# Allegro board S071AA-0413-20260427.brd (continued)
## Routing (per net, layer and track width the routed paths; a pad name or vN(x,y) marks a point on that pad's centre or on a via; arc(x,y) is an arc through that point) (continued)
; D103.B13 193.31,57.61 ; D427.B8 112.03,379.27 ; D427.B8 112.03,377.65 ; D427.B8 112.84,378.46 ; D427.B8 111.22,378.46 ; D116.B11 178.07,391.97 ; D116.B11 178.07,390.35 ; D116.B11 177.26,391.16 ; D116.B11 178.88,391.16 ; D110.A1 277.94,355.6 ; D110.A1 277.13,356.41 ; D110.A1 277.13,354.79 ; D110.A1 276.32,355.6 ; CSDPS229.C9 35.83,331.01 ; CSDPS229.C9 35.83,329.39 ; CSDPS229.C9 36.64,330.2 ; CSDPS229.C9 35.02,330.2 ; 91.71,382.73 D427.A16 ; D427.A16 92.52,383.54 ; D427.A16 90.9,383.54 ; D427.A16 91.71,384.35 ; D227.B16 92.52,368.3 ; D227.B16 90.9,368.3 ; D227.B16 91.71,369.11 ; D227.B16 91.71,367.49 ; D114.A15 167.91,356.41 ; D114.A15 167.1,355.6 ; D114.A15 168.72,355.6 ; D114.A15 167.91,354.79 ; 24.86,58.42 D119.B5 ; D119.B5 25.67,57.61 ; D119.B5 25.67,59.23 ; D119.B5 26.48,58.42 ; 245.84,13.97 DPS1.A05 ; DPS1.A05 247.46,13.97 ; DPS1.A05 246.65,13.16 ; DPS1.A05 246.65,14.78 ; 263.62,347.98 D110.B6 ; D110.B6 264.43,348.79 ; D110.B6 265.24,347.98 ; D110.B6 264.43,347.17 ; 240.76,355.6 D110.A15 ; D110.A15 241.57,354.79 ; D110.A15 242.38,355.6 ; D110.A15 241.57,356.41 ; D227.B2 127.27,369.11 ; D227.B2 126.46,368.3 ; D227.B2 128.08,368.3 ; D227.B2 127.27,367.49 ; D231.A10 34.1,373.38 ; D231.A10 33.29,372.57 ; D231.A10 32.48,373.38 ; D231.A10 33.29,374.19 ; 269.51,326.85 D109.B4 ; D109.B4 269.51,328.47 ; D109.B4 268.7,327.66 ; D109.B4 270.32,327.66 ; 109.49,37.29 D124.B9 ; D124.B9 110.3,38.1 ; D124.B9 109.49,38.91 ; D124.B9 108.68,38.1 ; UHC430.G2_1 48.98,366.26 ; UHC430.G2_1 48.17,365.45 ; UHC430.G2_1 49.79,365.45 ; UHC430.G2_1 48.98,364.64 ; D228.B5 119.65,391.97 ; D228.B5 120.46,391.16 ; D228.B5 119.65,390.35 ; D228.B5 118.84,391.16 ; 112.03,403.05 D428.A8 ; D428.A8 112.03,404.67 ; D428.A8 111.22,403.86 ; D428.A8 112.84,403.86 ; D432.B1 56.96,401.32 ; D432.B1 56.15,402.13 ; D432.B1 56.15,400.51 ; D432.B1 55.34,401.32 ; D124.B11 114.57,38.91 ; D124.B11 113.76,38.1 ; D124.B11 114.57,37.29 ; D124.B11 115.38,38.1 ; 162.83,77.93 D102.B1 ; D102.B1 162.02,78.74 ; D102.B1 163.64,78.74 ; D102.B1 162.83,79.55 ; 190.77,95.71 D101.A12 ; D101.A12 190.77,97.33 ; D101.A12 191.58,96.52 ; D101.A12 189.96,96.52 ; 184.88,96.52 D101.A10 ; D101.A10 185.69,95.71 ; D101.A10 186.5,96.52 ; D101.A10 185.69,97.33 ; 256.81,375.11 D111.A9 ; D111.A9 257.62,375.92 ; D111.A9 256,375.92 ; D111.A9 256.81,376.73 ; 91.71,60.15 D123.B2 ; D123.B2 90.9,60.96 ; D123.B2 91.71,61.77 ; D123.B2 92.52,60.96 ; D114.A13 172.99,356.41 ; D114.A13 172.18,355.6 ; D114.A13 172.99,354.79 ; D114.A13 173.8,355.6 ; D107.B7 251.73,59.23 ; D107.B7 252.54,58.42 ; D107.B7 250.92,58.42 ; D107.B7 251.73,57.61 ; 106.95,362.41 CSDPS426.B10 ; CSDPS426.B10 106.14,363.22 ; CSDPS426.B10 106.95,364.03 ; CSDPS426.B10 107.76,363.22 ; 243.3,347.98 D110.B14 ; D110.B14 244.92,347.98 ; D110.B14 244.11,347.17 ; D110.B14 244.11,348.79 ; D114.B6 190.77,348.79 ; D114.B6 189.96,347.98 ; D114.B6 190.77,347.17 ; D114.B6 191.58,347.98 ; D113.B11 178.07,331.01 ; D113.B11 177.26,330.2 ; D113.B11 178.07,329.39 ; D113.B11 178.88,330.2 ; D109.B16 239.03,328.47 ; D109.B16 239.84,327.66 ; D109.B16 239.03,326.85 ; D109.B16 238.22,327.66 ; 17.24,60.96 D119.B2 ; D119.B2 18.05,60.15 ; D119.B2 18.86,60.96 ; D119.B2 18.05,61.77 ; D108.B3 242.38,38.1 ; D108.B3 241.57,37.29 ; D108.B3 240.76,38.1 ; D108.B3 241.57,38.91 ; 170.45,60.15 D103.B4 ; D103.B4 170.45,61.77 ; D103.B4 171.26,60.96 ; D103.B4 169.64,60.96 ; D118.B16 53.61,82.09 ; D118.B16 52.8,81.28 ; D118.B16 54.42,81.28 ; D118.B16 53.61,80.47 ; 258.54,40.64 D108.B10 ; D108.B10 259.35,41.45 ; D108.B10 260.16,40.64 ; D108.B10 259.35,39.83 ; 14.92,363.7 UHC430.G1_5 ; UHC430.G1_5 15.73,364.51 ; UHC430.G1_5 15.73,362.89 ; UHC430.G1_5 16.54,363.7 ; D116.A16 165.37,394.51 ; D116.A16 164.56,393.7 ; D116.A16 165.37,392.89 ; D116.A16 166.18,393.7 ; 89.17,98.25 D121.B1 ; D121.B1 89.98,99.06 ; D121.B1 89.17,99.87 ; D121.B1 88.36,99.06 ; DPS2.A01 203.47,416.1 ; DPS2.A01 203.47,414.48 ; DPS2.A01 204.28,415.29 ; DPS2.A01 202.66,415.29 ; D111.B9 257.62,370.84 ; D111.B9 256,370.84 ; D111.B9 256.81,370.03 ; D111.B9 256.81,371.65 ; 172.18,99.06 D101.B5 ; D101.B5 172.99,98.25 ; D101.B5 172.99,99.87 ; D101.B5 173.8,99.06 ; D428.B8 112.03,399.59 ; D428.B8 111.22,398.78 ; D428.B8 112.03,397.97 ; D428.B8 112.84,398.78 ; D113.B15 167.91,331.01 ; D113.B15 168.72,330.2 ; D113.B15 167.1,330.2 ; D113.B15 167.91,329.39 ; D113.B12 175.53,328.47 ; D113.B12 174.72,327.66 ; D113.B12 175.53,326.85 ; D113.B12 176.34,327.66 ; 238.22,76.2 D106.A2 ; D106.A2 239.84,76.2 ; D106.A2 239.03,75.39 ; D106.A2 239.03,77.01 ; D431.B15 20.59,381.81 ; D431.B15 20.59,380.19 ; D431.B15 19.78,381 ; D431.B15 21.4,381 ; 48.98,361.14 UHC430.G2_6 ; UHC430.G2_6 49.79,361.95 ; UHC430.G2_6 48.98,362.76 ; UHC430.G2_6 48.17,361.95 ; D431.A10 33.29,384.35 ; D431.A10 34.1,383.54 ; D431.A10 33.29,382.73 ; D431.A10 32.48,383.54 ; 43.57,365.45 UHC430.G2_3 ; UHC430.G2_3 44.38,364.64 ; UHC430.G2_3 44.38,366.26 ; UHC430.G2_3 45.19,365.45 ; D427.B11 104.41,381.81 ; D427.B11 103.6,381 ; D427.B11 104.41,380.19 ; D427.B11 105.22,381 ; 114.57,349.71 CSDPS226.C7 ; CSDPS226.C7 115.38,350.52 ; CSDPS226.C7 113.76,350.52 ; CSDPS226.C7 114.57,351.33 ; 183.15,370.03 D115.B9 ; D115.B9 183.96,370.84 ; D115.B9 183.15,371.65 ; D115.B9 182.34,370.84 ; 271.24,93.98 D105.A15 ; D105.A15 272.86,93.98 ; D105.A15 272.05,94.79 ; D105.A15 272.05,93.17 ; DPS8.B15 20.59,413.56 ; DPS8.B15 19.78,412.75 ; DPS8.B15 21.4,412.75 ; DPS8.B15 20.59,411.94 ; D428.A3 124.73,407.21 ; D428.A3 124.73,405.59 ; D428.A3 123.92,406.4 ; D428.A3 125.54,406.4 ; 127.27,387.81 D228.B2 ; D228.B2 126.46,388.62 ; D228.B2 127.27,389.43 ; D228.B2 128.08,388.62 ; 119.65,37.29 D124.B13 ; D124.B13 118.84,38.1 ; D124.B13 120.46,38.1 ; D124.B13 119.65,38.91 ; D112.B11 252.54,391.16 ; D112.B11 251.73,391.97 ; D112.B11 251.73,390.35 ; D112.B11 250.92,391.16 ; D231.B14 23.94,368.3 ; D231.B14 23.13,369.11 ; D231.B14 23.13,367.49 ; D231.B14 22.32,368.3 ; D120.B7 30.75,38.91 ; D120.B7 30.75,37.29 ; D120.B7 29.94,38.1 ; D120.B7 31.56,38.1 ; D119.A10 39.18,55.88 ; D119.A10 38.37,55.07 ; D119.A10 38.37,56.69 ; D119.A10 37.56,55.88 ; D108.B13 266.97,38.91 ; D108.B13 267.78,38.1 ; D108.B13 266.97,37.29 ; D108.B13 266.16,38.1 ; D114.B10 180.61,348.79 ; D114.B10 179.8,347.98 ; D114.B10 181.42,347.98 ; D114.B10 180.61,347.17 ; 264.43,367.49 D111.B6 ; D111.B6 264.43,369.11 ; D111.B6 263.62,368.3 ; D111.B6 265.24,368.3 ; 183.15,32.21 D104.A9 ; D104.A9 183.15,33.83 ; D104.A9 182.34,33.02 ; D104.A9 183.96,33.02 ; 126.46,60.96 D123.B16 ; D123.B16 128.08,60.96 ; D123.B16 127.27,60.15 ; D123.B16 127.27,61.77 ; 37.56,378.46 D431.B8 ; D431.B8 38.37,377.65 ; D431.B8 39.18,378.46 ; D431.B8 38.37,379.27 ; 52.8,398.78 D432.B2 ; D432.B2 53.61,399.59 ; D432.B2 53.61,397.97 ; D432.B2 54.42,398.78 ; D102.A14 195.85,77.01 ; D102.A14 195.85,75.39 ; D102.A14 195.04,76.2 ; D102.A14 196.66,76.2 ; 266.16,53.34 D107.A13 ; D107.A13 266.97,52.53 ; D107.A13 266.97,54.15 ; D107.A13 267.78,53.34 ; D120.B4 23.94,40.64 ; D120.B4 23.13,39.83 ; D120.B4 23.13,41.45 ; D120.B4 22.32,40.64 ; D120.B10 38.37,41.45 ; D120.B10 39.18,40.64 ; D120.B10 37.56,40.64 ; D120.B10 38.37,39.83 ; D431.A14 23.94,383.54 ; D431.A14 23.13,382.73 ; D431.A14 22.32,383.54 ; D431.A14 23.13,384.35 ; D112.B16 239.84,388.62 ; D112.B16 238.22,388.62 ; D112.B16 239.03,389.43 ; D112.B16 239.03,387.81 ; 127.27,372.57 D227.A2 ; D227.A2 127.27,374.19 ; D227.A2 128.08,373.38 ; D227.A2 126.46,373.38 ; D117.B8 33.29,102.41 ; D117.B8 34.1,101.6 ; D117.B8 33.29,100.79 ; D117.B8 32.48,101.6 ; D111.A7 261.89,376.73 ; D111.A7 261.89,375.11 ; D111.A7 261.08,375.92 ; D111.A7 262.7,375.92 ; D428.B1 130.62,401.32 ; D428.B1 129.81,402.13 ; D428.B1 129,401.32 ; D428.B1 129.81,400.51 ; D111.B11 251.73,371.65 ; D111.B11 252.54,370.84 ; D111.B11 250.92,370.84 ; D111.B11 251.73,370.03 ; D118.A12 44.26,76.2 ; D118.A12 43.45,75.39 ; D118.A12 42.64,76.2 ; D118.A12 43.45,77.01 ; D103.A14 195.85,56.69 ; D103.A14 195.04,55.88 ; D103.A14 196.66,55.88 ; D103.A14 195.85,55.07 ; 98.52,381 D427.B13 ; D427.B13 99.33,381.81 ; D427.B13 100.14,381 ; D427.B13 99.33,380.19 ; 187.42,93.98 D101.A11 ; D101.A11 188.23,94.79 ; D101.A11 189.04,93.98 ; D101.A11 188.23,93.17 ; 111.22,60.96 D123.B10 ; D123.B10 112.84,60.96 ; D123.B10 112.03,60.15 ; D123.B10 112.03,61.77 ; D432.A17 15.51,407.21 ; D432.A17 16.32,406.4 ; D432.A17 15.51,405.59 ; D432.A17 14.7,406.4 ; D428.A11 104.41,407.21 ; D428.A11 105.22,406.4 ; D428.A11 104.41,405.59 ; D428.A11 103.6,406.4 ; 45.18,410.21 DPS8.C05 ; DPS8.C05 46.8,410.21 ; DPS8.C05 45.99,411.02 ; DPS8.C05 45.99,409.4 ; D428.A1 130.62,406.4 ; D428.A1 129.81,407.21 ; D428.A1 129.81,405.59 ; D428.A1 129,406.4 ; 244.11,100.79 D105.B4 ; D105.B4 244.11,102.41 ; D105.B4 244.92,101.6 ; D105.B4 243.3,101.6 ; 106.14,96.52 D121.A8 ; D121.A8 107.76,96.52 ; D121.A8 106.95,97.33 ; D121.A8 106.95,95.71 ; D115.B10 180.61,369.11 ; D115.B10 180.61,367.49 ; D115.B10 179.8,368.3 ; D115.B10 181.42,368.3 ; 190.77,80.47 D102.B12 ; D102.B12 190.77,82.09 ; D102.B12 191.58,81.28 ; D102.B12 189.96,81.28 ; D107.A3 241.57,54.15 ; D107.A3 242.38,53.34 ; D107.A3 241.57,52.53 ; D107.A3 240.76,53.34 ; D427.A10 106.95,384.35 ; D427.A10 107.76,383.54 ; D427.A10 106.95,382.73 ; D427.A10 106.14,383.54 ; D124.B3 95.06,38.1 ; D124.B3 94.25,37.29 ; D124.B3 93.44,38.1 ; D124.B3 94.25,38.91 ; D107.B16 275.4,60.96 ; D107.B16 274.59,60.15 ; D107.B16 274.59,61.77 ; D107.B16 273.78,60.96 ; DPS3.C15 125.54,19.05 ; DPS3.C15 124.73,18.24 ; DPS3.C15 124.73,19.86 ; DPS3.C15 123.92,19.05 ; 169.64,96.52 D101.A4 ; D101.A4 170.45,95.71 ; D101.A4 170.45,97.33 ; D101.A4 171.26,96.52 ; D101.B10 185.69,102.41 ; D101.B10 186.5,101.6 ; D101.B10 185.69,100.79 ; D101.B10 184.88,101.6 ; D108.A7 252.54,33.02 ; D108.A7 250.92,33.02 ; D108.A7 251.73,32.21 ; D108.A7 251.73,33.83 ; D120.B12 44.26,40.64 ; D120.B12 43.45,41.45 ; D120.B12 42.64,40.64 ; D120.B12 43.45,39.83 ; 177.26,415.29 DPS2.A11 ; DPS2.A11 178.88,415.29 ; DPS2.A11 178.07,414.48 ; DPS2.A11 178.07,416.1 ; D119.A3 21.4,53.34 ; D119.A3 20.59,54.15 ; D119.A3 20.59,52.53 ; D119.A3 19.78,53.34 ; 55.34,396.24 D232.A1 ; D232.A1 56.96,396.24 ; D232.A1 56.15,397.05 ; D232.A1 56.15,395.43 ; D104.A10 186.5,35.56 ; D104.A10 185.69,34.75 ; D104.A10 184.88,35.56 ; D104.A10 185.69,36.37 ; D117.B7 31.56,99.06 ; D117.B7 30.75,99.87 ; D117.B7 29.94,99.06 ; D117.B7 30.75,98.25 ; D118.A11 41.72,73.66 ; D118.A11 40.91,74.47 ; D118.A11 40.91,72.85 ; D118.A11 40.1,73.66 ; 30.75,375.11 D231.A11 ; D231.A11 30.75,376.73 ; D231.A11 29.94,375.92 ; D231.A11 31.56,375.92 ; 14.7,370.84 D231.B17 ; D231.B17 15.51,370.03 ; D231.B17 15.51,371.65 ; D231.B17 16.32,370.84 ; D432.B15 20.59,402.13 ; D432.B15 19.78,401.32 ; D432.B15 21.4,401.32 ; D432.B15 20.59,400.51 ; 180.61,34.75 D104.A8 ; D104.A8 179.8,35.56 ; D104.A8 181.42,35.56 ; D104.A8 180.61,36.37 ; D102.B3 168.72,78.74 ; D102.B3 167.91,77.93 ; D102.B3 167.1,78.74 ; D102.B3 167.91,79.55 ; D113.A14 170.45,333.55 ; D113.A14 171.26,332.74 ; D113.A14 169.64,332.74 ; D113.A14 170.45,331.93 ; D116.A9 183.15,397.05 ; D116.A9 182.34,396.24 ; D116.A9 183.96,396.24 ; D116.A9 183.15,395.43 ; D118.B3 21.4,78.74 ; D118.B3 20.59,79.55 ; D118.B3 19.78,78.74 ; D118.B3 20.59,77.93 ; 179.8,353.06 D114.A10 ; D114.A10 180.61,353.87 ; D114.A10 180.61,352.25 ; D114.A10 181.42,353.06 ; D124.B7 104.41,38.91 ; D124.B7 104.41,37.29 ; D124.B7 103.6,38.1 ; D124.B7 105.22,38.1 ; 269.51,352.25 D110.A4 ; D110.A4 269.51,353.87 ; D110.A4 270.32,353.06 ; D110.A4 268.7,353.06 ; 43.45,387.81 D232.B6 ; D232.B6 42.64,388.62 ; D232.B6 43.45,389.43 ; D232.B6 44.26,388.62 ; D105.B1 236.49,99.87 ; D105.B1 237.3,99.06 ; D105.B1 236.49,98.25 ; 261.08,19.05 DPS1.C11 ; DPS1.C11 262.7,19.05 ; DPS1.C11 261.89,19.86 ; DPS1.C11 261.89,18.24 ; D102.B6 175.53,82.09 ; D102.B6 175.53,80.47 ; D102.B6 174.72,81.28 ; D102.B6 176.34,81.28 ; D428.A15 95.06,406.4 ; D428.A15 93.44,406.4 ; D428.A15 94.25,405.59 ; D428.A15 94.25,407.21 ; 44.38,347.48 UHC230.G3_13 ; UHC230.G3_13 44.38,349.1 ; UHC230.G3_13 45.19,348.29 ; UHC230.G3_13 43.57,348.29 ; D119.A4 23.13,56.69 ; D119.A4 22.32,55.88 ; D119.A4 23.94,55.88 ; D119.A4 23.13,55.07 ; 203.47,375.11 D115.A1 ; D115.A1 203.47,376.73 ; D115.A1 202.66,375.92 ; D115.A1 204.28,375.92 ; 114.57,98.25 D121.B11 ; D121.B11 115.38,99.06 ; D121.B11 113.76,99.06 ; D121.B11 114.57,99.87 ; D432.B17 16.32,401.32 ; D432.B17 15.51,400.51 ; D432.B17 15.51,402.13 ; D432.B17 14.7,401.32 ; 189.96,60.96 D103.B12 ; D103.B12 190.77,60.15 ; D103.B12 190.77,61.77 ; D103.B12 191.58,60.96 ; D121.B15 124.73,99.87 ; D121.B15 125.54,99.06 ; D121.B15 124.73,98.25 ; D121.B15 123.92,99.06 ; D115.A9 183.96,375.92 ; D115.A9 183.15,375.11 ; D115.A9 183.15,376.73 ; D115.A9 182.34,375.92 ; 88.36,401.32 D428.B17 ; D428.B17 89.17,400.51 ; D428.B17 89.17,402.13 ; D428.B17 89.98,401.32 ; D431.B6 43.45,379.27 ; D431.B6 43.45,377.65 ; D431.B6 44.26,378.46 ; D431.B6 42.64,378.46 ; 25.67,77.93 D118.B5 ; D118.B5 25.67,79.55 ; D118.B5 24.86,78.74 ; D118.B5 26.48,78.74 ; 106.95,397.97 D428.B10 ; D428.B10 106.14,398.78 ; D428.B10 106.95,399.59 ; D428.B10 107.76,398.78 ; 89.17,93.17 D121.A1 ; D121.A1 89.17,94.79 ; D121.A1 88.36,93.98 ; D121.A1 89.98,93.98 ; 101.06,393.7 D228.A12 ; D228.A12 101.87,394.51 ; D228.A12 101.87,392.89 ; D228.A12 102.68,393.7 ; D121.B13 120.46,99.06 ; D121.B13 119.65,99.87 ; D121.B13 118.84,99.06 ; D121.B13 119.65,98.25 ; D104.B1 163.64,38.1 ; D104.B1 162.83,38.91 ; D104.B1 162.83,37.29 ; D104.B1 162.02,38.1 ; 266.97,98.25 D105.B13 ; D105.B13 266.97,99.87 ; D105.B13 266.16,99.06 ; D105.B13 267.78,99.06 ; D118.A4 23.13,77.01 ; D118.A4 23.94,76.2 ; D118.A4 23.13,75.39 ; D118.A4 22.32,76.2 ; 89.17,52.53 D123.A1 ; D123.A1 88.36,53.34 ; D123.A1 89.98,53.34 ; D123.A1 89.17,54.15 ; 122.19,55.07 D123.A14 ; D123.A14 121.38,55.88 ; D123.A14 123,55.88 ; D123.A14 122.19,56.69 ; 19.18,364.64 UHC430.G1_1 ; UHC430.G1_1 19.18,366.26 ; UHC430.G1_1 19.99,365.45 ; UHC430.G1_1 18.37,365.45 ; D228.A4 122.19,394.51 ; D228.A4 122.19,392.89 ; D228.A4 121.38,393.7 ; D228.A4 123,393.7 ; 44.38,361.14 UHC430.G2_8 ; UHC430.G2_8 44.38,362.76 ; UHC430.G2_8 45.19,361.95 ; UHC430.G2_8 43.57,361.95 ; 256,350.52 D110.B9 ; D110.B9 256.81,349.71 ; D110.B9 257.62,350.52 ; D110.B9 256.81,351.33 ; D101.B1 163.64,99.06 ; D101.B1 162.83,99.87 ; D101.B1 162.83,98.25 ; D231.B9 35.83,371.65 ; D231.B9 35.83,370.03 ; D231.B9 36.64,370.84 ; D231.B9 35.02,370.84 ; 90.9,378.46 D427.B16 ; D427.B16 91.71,377.65 ; D427.B16 92.52,378.46 ; D427.B16 91.71,379.27 ; 246.65,395.43 D112.A13 ; D112.A13 246.65,397.05 ; D112.A13 247.46,396.24 ; D112.A13 245.84,396.24 ; UHC430.G1 17.69,361.95 ; UHC430.G1 16.07,361.95 ; UHC430.G1 16.88,361.14 ; UHC430.G1 16.88,362.76 ; D101.B6 175.53,102.41 ; D101.B6 176.34,101.6 ; D101.B6 175.53,100.79 ; 116.3,398.78 D428.B6 ; D428.B6 117.11,399.59 ; D428.B6 117.11,397.97 ; D428.B6 117.92,398.78 ; 256.81,52.53 D107.A9 ; D107.A9 256,53.34 ; D107.A9 257.62,53.34 ; D107.A9 256.81,54.15 ; 165.37,387.81 D116.B16 ; D116.B16 165.37,389.43 ; D116.B16 164.56,388.62 ; D116.B16 166.18,388.62 ; D231.A2 53.61,374.19 ; D231.A2 53.61,372.57 ; D231.A2 52.8,373.38 ; D231.A2 54.42,373.38 ; 35.02,391.16 D232.B9 ; D232.B9 36.64,391.16 ; D232.B9 35.83,391.97 ; D232.B9 35.83,390.35 ; 95.98,363.22 CSDPS426.B14 ; CSDPS426.B14 96.79,364.03 ; CSDPS426.B14 96.79,362.41 ; CSDPS426.B14 97.6,363.22 ; D124.B2 92.52,40.64 ; D124.B2 91.71,41.45 ; D124.B2 91.71,39.83 ; D124.B2 90.9,40.64 ; D109.A6 264.43,333.55 ; D109.A6 263.62,332.74 ; D109.A6 265.24,332.74 ; D109.A6 264.43,331.93 ; D101.B13 193.31,99.87 ; D101.B13 194.12,99.06 ; D101.B13 193.31,98.25 ; D101.B13 192.5,99.06 ; 28.21,75.39 D118.A6 ; D118.A6 29.02,76.2 ; D118.A6 28.21,77.01 ; D118.A6 27.4,76.2 ; 28.21,387.81 D232.B12 ; D232.B12 29.02,388.62 ; D232.B12 28.21,389.43 ; D232.B12 27.4,388.62 ; D114.B1 203.47,351.33 ; D114.B1 202.66,350.52 ; D114.B1 204.28,350.52 ; D114.B1 203.47,349.71 ; 187.42,391.16 D116.B7 ; D116.B7 188.23,390.35 ; D116.B7 189.04,391.16 ; D116.B7 188.23,391.97 ; D122.A13 120.46,73.66 ; D122.A13 119.65,72.85 ; D122.A13 118.84,73.66 ; D122.A13 119.65,74.47 ; 202.66,370.84 D115.B1 ; D115.B1 203.47,370.03 ; D115.B1 204.28,370.84 ; D115.B1 203.47,371.65 ; D103.A10 185.69,56.69 ; D103.A10 185.69,55.07 ; D103.A10 186.5,55.88 ; D103.A10 184.88,55.88 ; 14.58,347.48 UHC230.G4_13 ; UHC230.G4_13 15.39,348.29 ; UHC230.G4_13 13.77,348.29 ; UHC230.G4_13 14.58,349.1 ; 30.75,339.55 CSDPS429.C11 ; CSDPS429.C11 31.56,340.36 ; CSDPS429.C11 30.75,341.17 ; CSDPS429.C11 29.94,340.36 ; DPS3.C05 99.33,19.86 ; DPS3.C05 100.14,19.05 ; DPS3.C05 98.52,19.05 ; DPS3.C05 99.33,18.24 ; UHC230.G3_6 48.98,352.6 ; UHC230.G3_6 48.17,351.79 ; UHC230.G3_6 48.98,350.98 ; UHC230.G3_6 49.79,351.79 ; 240.76,330.2 D109.B15 ; D109.B15 241.57,331.01 ; D109.B15 242.38,330.2 ; D109.B15 241.57,329.39 ; D118.A5 26.48,73.66 ; D118.A5 24.86,73.66 ; D118.A5 25.67,72.85 ; D118.A5 25.67,74.47 ; 43.45,403.05 D432.A6 ; D432.A6 44.26,403.86 ; D432.A6 43.45,404.67 ; D432.A6 42.64,403.86 ; 52.8,393.7 D232.A2 ; D232.A2 53.61,394.51 ; D232.A2 53.61,392.89 ; D232.A2 54.42,393.7 ; 184.88,393.7 D116.A8 ; D116.A8 185.69,392.89 ; D116.A8 186.5,393.7 ; D116.A8 185.69,394.51 ; 32.48,342.9 CSDPS429.B10 ; CSDPS429.B10 34.1,342.9 ; CSDPS429.B10 33.29,342.09 ; CSDPS429.B10 33.29,343.71 ; D118.A1 15.51,74.47 ; D118.A1 16.32,73.66 ; D118.A1 14.7,73.66 ; D118.A1 15.51,72.85 ; UHC430.G1_6 19.18,362.76 ; UHC430.G1_6 19.99,361.95 ; UHC430.G1_6 18.37,361.95 ; UHC430.G1_6 19.18,361.14 ; 177.26,410.21 DPS2.C11 ; DPS2.C11 178.07,411.02 ; DPS2.C11 178.07,409.4 ; DPS2.C11 178.88,410.21 ; 119.65,400.51 D428.B5 ; D428.B5 118.84,401.32 ; D428.B5 120.46,401.32 ; D428.B5 119.65,402.13 ; D121.A11 115.38,93.98 ; D121.A11 114.57,93.17 ; D121.A11 113.76,93.98 ; D121.A11 114.57,94.79 ; 251.73,329.39 D109.B11 ; D109.B11 251.73,331.01 ; D109.B11 252.54,330.2 ; D109.B11 250.92,330.2 ; D109.A7 262.7,335.28 ; D109.A7 261.89,334.47 ; D109.A7 261.89,336.09 ; D109.A7 261.08,335.28 ; D120.B3 20.59,38.91 ; D120.B3 20.59,37.29 ; D120.B3 19.78,38.1 ; D120.B3 21.4,38.1 ; 169.64,373.38 D115.A14 ; D115.A14 170.45,372.57 ; D115.A14 170.45,374.19 ; D115.A14 171.26,373.38 ; 33.29,55.07 D119.A8 ; D119.A8 32.48,55.88 ; D119.A8 33.29,56.69 ; D119.A8 34.1,55.88 ; 121.38,35.56 D124.A14 ; D124.A14 123,35.56 ; D124.A14 122.19,36.37 ; D124.A14 122.19,34.75 ; DPS8.B01 56.96,412.75 ; DPS8.B01 56.15,413.56 ; DPS8.B01 55.34,412.75 ; DPS8.B01 56.15,411.94 ; D104.B11 189.04,38.1 ; D104.B11 187.42,38.1 ; D104.B11 188.23,37.29 ; D104.B11 188.23,38.91
  L04_DGND w0.203: 33.29,39.83 D120.B8 ; D120.B8 33.29,41.45 ; D120.B8 32.48,40.64 ; D120.B8 34.1,40.64 ; D119.A9 35.83,54.15 ; D119.A9 35.83,52.53 ; D119.A9 35.02,53.34 ; D119.A9 36.64,53.34 ; D432.A6 44.26,403.86 ; D432.A6 43.45,404.67 ; D432.A6 43.45,403.05 ; D432.A6 42.64,403.86 ; 52.8,60.96 D119.B16 ; D119.B16 53.61,60.15 ; D119.B16 54.42,60.96 ; D119.B16 53.61,61.77 ; 192.5,38.1 D104.B13 ; D104.B13 194.12,38.1 ; D104.B13 193.31,38.91 ; D104.B13 193.31,37.29 ; D112.A7 262.7,396.24 ; D112.A7 261.89,395.43 ; D112.A7 261.08,396.24 ; D112.A7 261.89,397.05 ; D431.B12 29.02,378.46 ; D431.B12 28.21,377.65 ; D431.B12 27.4,378.46 ; D431.B12 28.21,379.27 ; 109.49,375.11 D227.A9 ; D227.A9 109.49,376.73 ; D227.A9 108.68,375.92 ; D227.A9 110.3,375.92 ; 122.19,367.49 D227.B4 ; D227.B4 122.19,369.11 ; D227.B4 123,368.3 ; D227.B4 121.38,368.3 ; 129,350.52 CSDPS226.C1 ; CSDPS226.C1 130.62,350.52 ; CSDPS226.C1 129.81,349.71 ; CSDPS226.C1 129.81,351.33 ; 29.94,406.4 D432.A11 ; D432.A11 31.56,406.4 ; D432.A11 30.75,407.21 ; D432.A11 30.75,405.59 ; D123.B5 99.33,59.23 ; D123.B5 98.52,58.42 ; D123.B5 100.14,58.42 ; D123.B5 99.33,57.61 ; 106.95,55.07 D123.A8 ; D123.A8 106.14,55.88 ; D123.A8 107.76,55.88 ; D123.A8 106.95,56.69 ; 106.14,363.22 CSDPS426.B10 ; CSDPS426.B10 107.76,363.22 ; CSDPS426.B10 106.95,364.03 ; CSDPS426.B10 106.95,362.41 ; 93.44,33.02 D124.A3 ; D124.A3 95.06,33.02 ; D124.A3 94.25,32.21 ; D124.A3 94.25,33.83 ; 20.59,370.03 D231.B15 ; D231.B15 20.59,371.65 ; D231.B15 21.4,370.84 ; D231.B15 19.78,370.84 ; 42.64,378.46 D431.B6 ; D431.B6 44.26,378.46 ; D431.B6 43.45,379.27 ; D431.B6 43.45,377.65 ; 273.78,96.52 D105.A16 ; D105.A16 274.59,97.33 ; D105.A16 275.4,96.52 ; D105.A16 274.59,95.71 ; D123.B12 117.11,61.77 ; D123.B12 117.92,60.96 ; D123.B12 116.3,60.96 ; D123.B12 117.11,60.15 ; 109.49,390.35 D228.B9 ; D228.B9 108.68,391.16 ; D228.B9 110.3,391.16 ; D228.B9 109.49,391.97 ; 38.37,39.83 D120.B10 ; D120.B10 38.37,41.45 ; D120.B10 39.18,40.64 ; D120.B10 37.56,40.64 ; 44.72,350.04 UHC230.G3_10 ; UHC230.G3_10 45.53,349.23 ; UHC230.G3_10 45.53,350.85 ; UHC230.G3_10 46.34,350.04 ; 185.69,55.07 D103.A10 ; D103.A10 186.5,55.88 ; D103.A10 184.88,55.88 ; D103.A10 185.69,56.69 ; D431.B13 26.48,381 ; D431.B13 25.67,380.19 ; D431.B13 24.86,381 ; D431.B13 25.67,381.81 ; 184.88,393.7 D116.A8 ; D116.A8 186.5,393.7 ; D116.A8 185.69,392.89 ; D116.A8 185.69,394.51 ; 241.57,98.25 D105.B3 ; D105.B3 240.76,99.06 ; D105.B3 242.38,99.06 ; D105.B3 241.57,99.87 ; 271.24,78.74 D106.B15 ; D106.B15 272.05,77.93 ; D106.B15 272.05,79.55 ; D106.B15 272.86,78.74 ; D103.B9 183.96,58.42 ; D103.B9 183.15,59.23 ; D103.B9 183.15,57.61 ; D103.B9 182.34,58.42 ; 13.77,358.45 UHC430.G1_13 ; UHC430.G1_13 14.58,359.26 ; UHC430.G1_13 14.58,357.64 ; UHC430.G1_13 15.39,358.45 ; 195.04,347.98 D114.B4 ; D114.B4 195.85,347.17 ; D114.B4 196.66,347.98 ; D114.B4 195.85,348.79 ; 236.49,37.29 D108.B1 ; D108.B1 235.68,38.1 ; D108.B1 237.3,38.1 ; D108.B1 236.49,38.91 ; D114.B1 203.47,351.33 ; D114.B1 203.47,349.71 ; D114.B1 202.66,350.52 ; D114.B1 204.28,350.52 ; D120.A13 45.99,33.83 ; D120.A13 46.8,33.02 ; D120.A13 45.18,33.02 ; D120.A13 45.99,32.21 ; D111.B14 244.11,369.11 ; D111.B14 244.11,367.49 ; D111.B14 243.3,368.3 ; D111.B14 244.92,368.3 ; D101.A9 183.15,94.79 ; D101.A9 183.96,93.98 ; D101.A9 182.34,93.98 ; D101.A9 183.15,93.17 ; 19.78,53.34 D119.A3 ; D119.A3 21.4,53.34 ; D119.A3 20.59,52.53 ; D119.A3 20.59,54.15 ; 109.49,98.25 D121.B9 ; D121.B9 109.49,99.87 ; D121.B9 110.3,99.06 ; D121.B9 108.68,99.06 ; D109.B7 261.89,331.01 ; D109.B7 261.89,329.39 ; D109.B7 262.7,330.2 ; D109.B7 261.08,330.2 ; D106.A5 247.46,73.66 ; D106.A5 245.84,73.66 ; D106.A5 246.65,72.85 ; D106.A5 246.65,74.47 ; 248.38,373.38 D111.A12 ; D111.A12 250,373.38 ; D111.A12 249.19,372.57 ; D111.A12 249.19,374.19 ; D121.A6 102.68,96.52 ; D121.A6 101.87,95.71 ; D121.A6 101.87,97.33 ; D121.A6 101.06,96.52 ; 195.85,80.47 D102.B14 ; D102.B14 195.04,81.28 ; D102.B14 195.85,82.09 ; D102.B14 196.66,81.28 ; 167.1,38.1 D104.B3 ; D104.B3 167.91,38.91 ; D104.B3 167.91,37.29 ; D104.B3 168.72,38.1 ; CSDPS225.B14 97.6,332.74 ; CSDPS225.B14 96.79,331.93 ; CSDPS225.B14 96.79,333.55 ; CSDPS225.B14 95.98,332.74 ; 243.3,388.62 D112.B14 ; D112.B14 244.92,388.62 ; D112.B14 244.11,387.81 ; D112.B14 244.11,389.43 ; D112.B16 239.84,388.62 ; D112.B16 238.22,388.62 ; D112.B16 239.03,389.43 ; D112.B16 239.03,387.81 ; D109.A15 242.38,335.28 ; D109.A15 240.76,335.28 ; D109.A15 241.57,334.47 ; D109.A15 241.57,336.09 ; 187.42,335.28 D113.A7 ; D113.A7 189.04,335.28 ; D113.A7 188.23,334.47 ; D113.A7 188.23,336.09 ; D108.A15 272.86,33.02 ; D108.A15 271.24,33.02 ; D108.A15 272.05,33.83 ; D108.A15 272.05,32.21 ; 178.07,395.43 D116.A11 ; D116.A11 177.26,396.24 ; D116.A11 178.88,396.24 ; D116.A11 178.07,397.05 ; 245.84,375.92 D111.A13 ; D111.A13 246.65,376.73 ; D111.A13 246.65,375.11 ; D111.A13 247.46,375.92 ; D121.B15 124.73,99.87 ; D121.B15 124.73,98.25 ; D121.B15 125.54,99.06 ; D121.B15 123.92,99.06 ; D113.B3 199.2,330.2 ; D113.B3 197.58,330.2 ; D113.B3 198.39,331.01 ; D113.B3 198.39,329.39 ; D107.B16 275.4,60.96 ; D107.B16 274.59,61.77 ; D107.B16 273.78,60.96 ; D107.B16 274.59,60.15 ; CSDPS226.C5 119.65,351.33 ; CSDPS226.C5 118.84,350.52 ; CSDPS226.C5 119.65,349.71 ; CSDPS226.C5 120.46,350.52 ; 93.44,350.52 CSDPS226.C15 ; CSDPS226.C15 94.25,351.33 ; CSDPS226.C15 94.25,349.71 ; CSDPS226.C15 95.06,350.52 ; 245.84,58.42 D107.B5 ; D107.B5 246.65,57.61 ; D107.B5 246.65,59.23 ; D107.B5 247.46,58.42 ; D121.A16 128.08,96.52 ; D121.A16 127.27,97.33 ; D121.A16 126.46,96.52 ; D121.A16 127.27,95.71 ; 127.27,397.97 D428.B2 ; D428.B2 126.46,398.78 ; D428.B2 127.27,399.59 ; D428.B2 128.08,398.78 ; D227.B5 119.65,371.65 ; D227.B5 120.46,370.84 ; D227.B5 119.65,370.03 ; D227.B5 118.84,370.84 ; D431.A7 40.91,386.89 ; D431.A7 40.1,386.08 ; D431.A7 40.91,385.27 ; D431.A7 41.72,386.08 ; 56.15,339.55 CSDPS429.C1 ; CSDPS429.C1 56.96,340.36 ; CSDPS429.C1 55.34,340.36 ; CSDPS429.C1 56.15,341.17 ; UHC430.G1_2 17.69,365.45 ; UHC430.G1_2 16.07,365.45 ; UHC430.G1_2 16.88,366.26 ; UHC430.G1_2 16.88,364.64 ; D124.B14 122.19,41.45 ; D124.B14 123,40.64 ; D124.B14 121.38,40.64 ; D124.B14 122.19,39.83 ; D116.A16 166.18,393.7 ; D116.A16 165.37,392.89 ; D116.A16 165.37,394.51 ; D116.A16 164.56,393.7 ; 35.02,401.32 D432.B9 ; D432.B9 35.83,400.51 ; D432.B9 36.64,401.32 ; D432.B9 35.83,402.13 ; 18.05,342.09 CSDPS429.B16 ; CSDPS429.B16 18.86,342.9 ; CSDPS429.B16 17.24,342.9 ; CSDPS429.B16 18.05,343.71 ; 256,375.92 D111.A9 ; D111.A9 257.62,375.92 ; D111.A9 256.81,375.11 ; D111.A9 256.81,376.73 ; 112.03,382.73 D427.A8 ; D427.A8 112.84,383.54 ; D427.A8 112.03,384.35 ; D427.A8 111.22,383.54 ; 35.02,386.08 D431.A9 ; D431.A9 36.64,386.08 ; D431.A9 35.83,386.89 ; D431.A9 35.83,385.27 ; 274.59,372.57 D111.A2 ; D111.A2 275.4,373.38 ; D111.A2 273.78,373.38 ; D111.A2 274.59,374.19 ; 106.95,352.25 CSDPS226.B10 ; CSDPS226.B10 107.76,353.06 ; CSDPS226.B10 106.95,353.87 ; CSDPS226.B10 106.14,353.06 ; 195.04,96.52 D101.A14 ; D101.A14 195.85,95.71 ; D101.A14 195.85,97.33 ; D101.A14 196.66,96.52 ; 94.25,72.85 D122.A3 ; D122.A3 93.44,73.66 ; D122.A3 95.06,73.66 ; D122.A3 94.25,74.47 ; 89.17,13.16 DPS3.A01 ; DPS3.A01 89.17,14.78 ; DPS3.A01 89.98,13.97 ; DPS3.A01 88.36,13.97 ; D105.B4 244.92,101.6 ; D105.B4 244.11,102.41 ; D105.B4 243.3,101.6 ; D105.B4 244.11,100.79 ; 249.19,34.75 D108.A6 ; D108.A6 249.19,36.37 ; D108.A6 248.38,35.56 ; D108.A6 250,35.56 ; D121.B6 101.87,102.41 ; D121.B6 101.06,101.6 ; D121.B6 101.87,100.79 ; D121.B6 102.68,101.6 ; 184.88,353.06 D114.A8 ; D114.A8 185.69,353.87 ; D114.A8 185.69,352.25 ; D114.A8 186.5,353.06 ; 37.56,332.74 CSDPS229.B8 ; CSDPS229.B8 39.18,332.74 ; CSDPS229.B8 38.37,333.55 ; CSDPS229.B8 38.37,331.93 ; 264.43,80.47 D106.B12 ; D106.B12 265.24,81.28 ; D106.B12 263.62,81.28 ; D106.B12 264.43,82.09 ; D114.A7 188.23,356.41 ; D114.A7 187.42,355.6 ; D114.A7 188.23,354.79 ; D114.A7 189.04,355.6 ; 200.12,347.98 D114.B2 ; D114.B2 201.74,347.98 ; D114.B2 200.93,347.17 ; D114.B2 200.93,348.79 ; 27.4,55.88 D119.A6 ; D119.A6 29.02,55.88 ; D119.A6 28.21,56.69 ; D119.A6 28.21,55.07 ; D122.A4 97.6,76.2 ; D122.A4 96.79,77.01 ; D122.A4 95.98,76.2 ; D122.A4 96.79,75.39 ; 51.07,72.85 D118.A15 ; D118.A15 51.07,74.47 ; D118.A15 51.88,73.66 ; D118.A15 50.26,73.66 ; D111.B10 255.08,368.3 ; D111.B10 253.46,368.3 ; D111.B10 254.27,367.49 ; D111.B10 254.27,369.11 ; UHC430.G1_4 18.84,363.7 ; UHC430.G1_4 18.03,362.89 ; UHC430.G1_4 17.22,363.7 ; UHC430.G1_4 18.03,364.51 ; D104.A4 171.26,35.56 ; D104.A4 170.45,34.75 ; D104.A4 170.45,36.37 ; D104.A4 169.64,35.56 ; D124.A8 107.76,35.56 ; D124.A8 106.14,35.56 ; D124.A8 106.95,36.37 ; D124.A8 106.95,34.75 ; D104.B8 181.42,40.64 ; D104.B8 180.61,39.83 ; D104.B8 179.8,40.64 ; D104.B8 180.61,41.45 ; 172.99,52.53 D103.A5 ; D103.A5 172.99,54.15 ; D103.A5 173.8,53.34 ; D103.A5 172.18,53.34 ; 108.68,33.02 D124.A9 ; D124.A9 109.49,33.83 ; D124.A9 109.49,32.21 ; D124.A9 110.3,33.02 ; D431.B3 51.88,381 ; D431.B3 50.26,381 ; D431.B3 51.07,381.81 ; D431.B3 51.07,380.19 ; 246.65,98.25 D105.B5 ; D105.B5 247.46,99.06 ; D105.B5 246.65,99.87 ; D105.B5 245.84,99.06 ; 23.13,403.05 D432.A14 ; D432.A14 23.13,404.67 ; D432.A14 23.94,403.86 ; D432.A14 22.32,403.86 ; 177.26,93.98 D101.A7 ; D101.A7 178.07,93.17 ; D101.A7 178.88,93.98 ; D101.A7 178.07,94.79 ; 103.6,375.92 D227.A11 ; D227.A11 104.41,375.11 ; D227.A11 104.41,376.73 ; D227.A11 105.22,375.92 ; 35.02,73.66 D118.A9 ; D118.A9 35.83,74.47 ; D118.A9 35.83,72.85 ; D118.A9 36.64,73.66 ; 273.78,40.64 D108.B16 ; D108.B16 274.59,39.83 ; D108.B16 275.4,40.64 ; D108.B16 274.59,41.45 ; 50.26,391.16 D232.B3 ; D232.B3 51.88,391.16 ; D232.B3 51.07,390.35 ; D232.B3 51.07,391.97 ; D122.A13 119.65,74.47 ; D122.A13 118.84,73.66 ; D122.A13 120.46,73.66 ; D122.A13 119.65,72.85 ; D105.A4 244.92,96.52 ; D105.A4 244.11,97.33 ; D105.A4 244.11,95.71 ; D105.A4 243.3,96.52 ; 98.52,381 D427.B13 ; D427.B13 100.14,381 ; D427.B13 99.33,381.81 ; D427.B13 99.33,380.19 ; 272.05,13.16 DPS1.A15 ; DPS1.A15 272.86,13.97 ; DPS1.A15 271.24,13.97 ; DPS1.A15 272.05,14.78 ; 106.95,377.65 D427.B10 ; D427.B10 107.76,378.46 ; D427.B10 106.14,378.46 ; D427.B10 106.95,379.27 ; 45.18,53.34 D119.A13 ; D119.A13 45.99,52.53 ; D119.A13 46.8,53.34 ; D119.A13 45.99,54.15 ; 17.24,368.3 D231.B16 ; D231.B16 18.86,368.3 ; D231.B16 18.05,367.49 ; D231.B16 18.05,369.11 ; 200.93,326.85 D113.B2 ; D113.B2 200.12,327.66 ; D113.B2 200.93,328.47 ; D113.B2 201.74,327.66 ; 190.77,326.85 D113.B6 ; D113.B6 191.58,327.66 ; D113.B6 190.77,328.47 ; D113.B6 189.96,327.66 ; 99.33,329.39 CSDPS225.C13 ; CSDPS225.C13 99.33,331.01 ; CSDPS225.C13 98.52,330.2 ; CSDPS225.C13 100.14,330.2 ; D122.A11 115.38,73.66 ; D122.A11 114.57,74.47 ; D122.A11 114.57,72.85 ; D122.A11 113.76,73.66 ; 119.65,32.21 D124.A13 ; D124.A13 120.46,33.02 ; D124.A13 118.84,33.02 ; D124.A13 119.65,33.83 ; 129,406.4 D428.A1 ; D428.A1 130.62,406.4 ; D428.A1 129.81,405.59 ; D428.A1 129.81,407.21 ; 90.9,342.9 CSDPS425.B16 ; CSDPS425.B16 91.71,343.71 ; CSDPS425.B16 92.52,342.9 ; CSDPS425.B16 91.71,342.09 ; D103.A11 189.04,53.34 ; D103.A11 187.42,53.34 ; D103.A11 188.23,54.15 ; D103.A11 188.23,52.53 ; 15.51,52.53 D119.A1 ; D119.A1 15.51,54.15 ; D119.A1 14.7,53.34 ; D119.A1 16.32,53.34 ; CSDPS225.C15 95.06,330.2 ; CSDPS225.C15 94.25,331.01 ; CSDPS225.C15 93.44,330.2 ; CSDPS225.C15 94.25,329.39 ; 15.51,72.85 D118.A1 ; D118.A1 14.7,73.66 ; D118.A1 16.32,73.66 ; D118.A1 15.51,74.47 ; D124.A1 89.98,33.02 ; D124.A1 89.17,33.83 ; D124.A1 89.17,32.21 ; D124.A1 88.36,33.02 ; 249.19,80.47 D106.B6 ; D106.B6 248.38,81.28 ; D106.B6 250,81.28 ; D106.B6 249.19,82.09 ; D107.A6 250,55.88 ; D107.A6 248.38,55.88 ; D107.A6 249.19,56.69 ; D107.A6 249.19,55.07 ; D116.A9 183.15,397.05 ; D116.A9 182.34,396.24 ; D116.A9 183.96,396.24 ; D116.A9 183.15,395.43 ; 261.08,13.97 DPS1.A11 ; DPS1.A11 261.89,14.78 ; DPS1.A11 262.7,13.97 ; DPS1.A11 261.89,13.16 ; D119.B3 21.4,58.42 ; D119.B3 20.59,59.23 ; D119.B3 20.59,57.61 ; D119.B3 19.78,58.42 ; UHC230.G4_9 18.03,350.85 ; UHC230.G4_9 18.84,350.04 ; UHC230.G4_9 18.03,349.23 ; UHC230.G4_9 17.22,350.04 ; CSDPS426.B12 102.68,363.22 ; CSDPS426.B12 101.87,362.41 ; CSDPS426.B12 101.06,363.22 ; CSDPS426.B12 101.87,364.03 ; 104.41,370.03 D227.B11 ; D227.B11 104.41,371.65 ; D227.B11 103.6,370.84 ; D227.B11 105.22,370.84 ; D115.A1 204.28,375.92 ; D115.A1 203.47,376.73 ; D115.A1 202.66,375.92 ; D115.A1 203.47,375.11 ; D124.B9 110.3,38.1 ; D124.B9 109.49,38.91 ; D124.B9 109.49,37.29 ; D124.B9 108.68,38.1 ; D111.A6 264.43,374.19 ; D111.A6 265.24,373.38 ; D111.A6 263.62,373.38 ; D111.A6 264.43,372.57 ; D121.A14 123,96.52 ; D121.A14 122.19,95.71 ; D121.A14 121.38,96.52 ; D121.A14 122.19,97.33 ; D106.B3 241.57,79.55 ; D106.B3 241.57,77.93 ; D106.B3 242.38,78.74 ; D106.B3 240.76,78.74 ; D109.B13 246.65,331.01 ; D109.B13 246.65,329.39 ; D109.B13 247.46,330.2 ; D109.B13 245.84,330.2 ; CSDPS429.B8 38.37,343.71 ; CSDPS429.B8 38.37,342.09 ; CSDPS429.B8 37.56,342.9 ; CSDPS429.B8 39.18,342.9 ; 25.67,72.85 D118.A5 ; D118.A5 25.67,74.47 ; D118.A5 26.48,73.66 ; D118.A5 24.86,73.66 ; UHC230.G3_11 48.98,349.1 ; UHC230.G3_11 48.17,348.29 ; UHC230.G3_11 48.98,347.48 ; UHC230.G3_11 49.79,348.29 ; 175.53,372.57 D115.A12 ; D115.A12 175.53,374.19 ; D115.A12 174.72,373.38 ; D115.A12 176.34,373.38 ; 253.46,81.28 D106.B8 ; D106.B8 254.27,82.09 ; D106.B8 254.27,80.47 ; D106.B8 255.08,81.28 ; UHC230.G3_6 48.98,352.6 ; UHC230.G3_6 48.98,350.98 ; UHC230.G3_6 49.79,351.79 ; UHC230.G3_6 48.17,351.79 ; D432.B2 54.42,398.78 ; D432.B2 53.61,397.97 ; D432.B2 52.8,398.78 ; D432.B2 53.61,399.59 ; D110.A4 270.32,353.06 ; D110.A4 269.51,352.25 ; D110.A4 268.7,353.06 ; D110.A4 269.51,353.87 ; 177.26,412.75 DPS2.B11 ; DPS2.B11 178.07,413.56 ; DPS2.B11 178.88,412.75 ; DPS2.B11 178.07,411.94 ; 112.03,39.83 D124.B10 ; D124.B10 112.84,40.64 ; D124.B10 112.03,41.45 ; D124.B10 111.22,40.64 ; D104.B14 196.66,40.64 ; D104.B14 195.04,40.64 ; D104.B14 195.85,41.45 ; D104.B14 195.85,39.83 ; D113.B1 203.47,331.01 ; D113.B1 202.66,330.2 ; D113.B1 204.28,330.2 ; D113.B1 203.47,329.39 ; 266.16,355.6 D110.A5 ; D110.A5 267.78,355.6 ; D110.A5 266.97,354.79 ; D110.A5 266.97,356.41 ; 19.78,330.2 CSDPS229.C15 ; CSDPS229.C15 21.4,330.2 ; CSDPS229.C15 20.59,331.01 ; CSDPS229.C15 20.59,329.39 ; D114.B8 186.5,347.98 ; D114.B8 185.69,347.17 ; D114.B8 185.69,348.79 ; D114.B8 184.88,347.98 ; 98.52,19.05 DPS3.C05 ; DPS3.C05 99.33,19.86 ; DPS3.C05 99.33,18.24 ; DPS3.C05 100.14,19.05 ; 13.77,351.79 UHC230.G4_8 ; UHC230.G4_8 14.58,352.6 ; UHC230.G4_8 15.39,351.79 ; UHC230.G4_8 14.58,350.98 ; D102.B15 199.2,78.74 ; D102.B15 197.58,78.74 ; D102.B15 198.39,79.55 ; D102.B15 198.39,77.93 ; 189.96,332.74 D113.A6 ; D113.A6 190.77,333.55 ; D113.A6 191.58,332.74 ; D113.A6 190.77,331.93 ; 162.02,78.74 D102.B1 ; D102.B1 162.83,79.55 ; D102.B1 162.83,77.93 ; D102.B1 163.64,78.74 ; 274.59,367.49 D111.B2 ; D111.B2 274.59,369.11 ; D111.B2 275.4,368.3 ; D111.B2 273.78,368.3 ; 42.64,368.3 D231.B6 ; D231.B6 44.26,368.3 ; D231.B6 43.45,369.11 ; D231.B6 43.45,367.49 ; D114.A12 176.34,353.06 ; D114.A12 175.53,352.25 ; D114.A12 174.72,353.06 ; D114.A12 175.53,353.87 ; D116.B3 199.2,391.16 ; D116.B3 198.39,390.35 ; D116.B3 197.58,391.16 ; D116.B3 198.39,391.97 ; 126.46,393.7 D228.A2 ; D228.A2 127.27,392.89 ; D228.A2 127.27,394.51 ; D228.A2 128.08,393.7 ; D124.A4 96.79,36.37 ; D124.A4 96.79,34.75 ; D124.A4 97.6,35.56 ; D124.A4 95.98,35.56 ; D228.A8 112.84,393.7 ; D228.A8 111.22,393.7 ; D228.A8 112.03,394.51 ; D228.A8 112.03,392.89 ; 116.3,363.22 CSDPS426.B6 ; CSDPS426.B6 117.92,363.22 ; CSDPS426.B6 117.11,364.03 ; CSDPS426.B6 117.11,362.41 ; D123.B7 104.41,59.23 ; D123.B7 104.41,57.61 ; D123.B7 105.22,58.42 ; D123.B7 103.6,58.42 ; 32.48,383.54 D431.A10 ; D431.A10 34.1,383.54 ; D431.A10 33.29,384.35 ; D431.A10 33.29,382.73 ; D122.A10 112.03,77.01 ; D122.A10 111.22,76.2 ; D122.A10 112.03,75.39 ; D122.A10 112.84,76.2 ; 103.6,340.36 CSDPS425.C11 ; CSDPS425.C11 104.41,341.17 ; CSDPS425.C11 104.41,339.55 ; CSDPS425.C11 105.22,340.36 ; D119.A10 38.37,56.69 ; D119.A10 37.56,55.88 ; D119.A10 39.18,55.88 ; D119.A10 38.37,55.07 ; D227.B7 114.57,371.65 ; D227.B7 114.57,370.03 ; D227.B7 115.38,370.84 ; D227.B7 113.76,370.84 ; 167.1,415.29 DPS2.A15 ; DPS2.A15 167.91,414.48 ; DPS2.A15 167.91,416.1 ; DPS2.A15 168.72,415.29 ; D101.B16 200.93,102.41 ; D101.B16 201.74,101.6 ; D101.B16 200.12,101.6 ; D101.B16 200.93,100.79 ; 129,381 D427.B1 ; D427.B1 129.81,381.81 ; D427.B1 129.81,380.19 ; D427.B1 130.62,381 ; CSDPS426.B8 112.03,364.03 ; CSDPS426.B8 111.22,363.22 ; CSDPS426.B8 112.03,362.41 ; CSDPS426.B8 112.84,363.22 ; D106.A8 255.08,76.2 ; D106.A8 254.27,75.39 ; D106.A8 254.27,77.01 ; D106.A8 253.46,76.2 ; 167.91,77.93 D102.B3 ; D102.B3 167.1,78.74 ; D102.B3 167.91,79.55 ; D102.B3 168.72,78.74 ; D432.A1 56.15,407.21 ; D432.A1 55.34,406.4 ; D432.A1 56.96,406.4 ; D432.A1 56.15,405.59 ; 30.75,395.43 D232.A11 ; D232.A11 29.94,396.24 ; D232.A11 31.56,396.24 ; D232.A11 30.75,397.05 ; 104.41,32.21 D124.A7 ; D124.A7 103.6,33.02 ; D124.A7 105.22,33.02 ; D124.A7 104.41,33.83 ; 251.73,329.39 D109.B11 ; D109.B11 252.54,330.2 ; D109.B11 250.92,330.2 ; D109.B11 251.73,331.01 ; DPS8.A11 31.56,415.29 ; DPS8.A11 30.75,414.48 ; DPS8.A11 30.75,416.1 ; DPS8.A11 29.94,415.29 ; CSDPS229.B10 33.29,333.55 ; CSDPS229.B10 32.48,332.74 ; CSDPS229.B10 33.29,331.93 ; CSDPS229.B10 34.1,332.74 ; 53.61,39.83 D120.B16 ; D120.B16 53.61,41.45 ; D120.B16 54.42,40.64 ; D120.B16 52.8,40.64 ; CSDPS429.B6 43.45,343.71 ; CSDPS429.B6 44.26,342.9 ; CSDPS429.B6 43.45,342.09 ; CSDPS429.B6 42.64,342.9 ; D432.A9 35.83,407.21 ; D432.A9 36.64,406.4 ; D432.A9 35.83,405.59 ; D432.A9 35.02,406.4 ; 45.18,415.29 DPS8.A05 ; DPS8.A05 45.99,416.1 ; DPS8.A05 45.99,414.48 ; DPS8.A05 46.8,415.29 ; 109.49,380.19 D427.B9 ; D427.B9 108.68,381 ; D427.B9 109.49,381.81 ; D427.B9 110.3,381 ; D123.A4 96.79,56.69 ; D123.A4 97.6,55.88 ; D123.A4 96.79,55.07 ; D123.A4 95.98,55.88 ; 50.26,375.92 D231.A3 ; D231.A3 51.88,375.92 ; D231.A3 51.07,375.11 ; D231.A3 51.07,376.73 ; D111.A1 277.13,376.73 ; D111.A1 277.94,375.92 ; D111.A1 276.32,375.92 ; D111.A1 277.13,375.11 ; 29.94,386.08 D431.A11 ; D431.A11 30.75,385.27 ; D431.A11 31.56,386.08 ; D431.A11 30.75,386.89 ; D111.A7 261.89,376.73 ; D111.A7 262.7,375.92 ; D111.A7 261.08,375.92 ; D111.A7 261.89,375.11 ; 90.9,60.96 D123.B2 ; D123.B2 91.71,61.77 ; D123.B2 91.71,60.15 ; D123.B2 92.52,60.96 ; D228.B2 128.08,388.62 ; D228.B2 127.27,389.43 ; D228.B2 126.46,388.62 ; D228.B2 127.27,387.81 ; 101.06,378.46 D427.B12 ; D427.B12 101.87,377.65 ; D427.B12 101.87,379.27 ; D427.B12 102.68,378.46 ; DPS1.C01 236.49,19.86 ; DPS1.C01 235.68,19.05 ; DPS1.C01 236.49,18.24 ; DPS1.C01 237.3,19.05 ; D102.B9 183.15,79.55 ; D102.B9 183.15,77.93 ; D102.B9 183.96,78.74 ; D102.B9 182.34,78.74 ; D122.A15 124.73,74.47 ; D122.A15 124.73,72.85 ; D122.A15 123.92,73.66 ; D122.A15 125.54,73.66 ; D227.A6 117.92,373.38 ; D227.A6 117.11,372.57 ; D227.A6 116.3,373.38 ; D227.A6 117.11,374.19 ; D121.B8 107.76,101.6 ; D121.B8 106.95,102.41 ; D121.B8 106.95,100.79 ; D121.B8 106.14,101.6 ; D114.B11 178.88,350.52 ; D114.B11 178.07,349.71 ; D114.B11 178.07,351.33 ; D114.B11 177.26,350.52 ; 89.17,57.61 D123.B1 ; D123.B1 88.36,58.42 ; D123.B1 89.17,59.23 ; D123.B1 89.98,58.42 ; D115.B6 190.77,369.11 ; D115.B6 190.77,367.49 ; D115.B6 189.96,368.3 ; D115.B6 191.58,368.3 ; D106.A14 270.32,76.2 ; D106.A14 268.7,76.2 ; D106.A14 269.51,75.39 ; D106.A14 269.51,77.01 ; 56.15,409.4 DPS8.C01 ; DPS8.C01 56.96,410.21 ; DPS8.C01 56.15,411.02 ; DPS8.C01 55.34,410.21 ; 193.31,52.53 D103.A13 ; D103.A13 193.31,54.15 ; D103.A13 192.5,53.34 ; D103.A13 194.12,53.34 ; 93.44,370.84 D227.B15 ; D227.B15 94.25,370.03 ; D227.B15 95.06,370.84 ; D227.B15 94.25,371.65 ; 51.07,339.55 CSDPS429.C3 ; CSDPS429.C3 51.88,340.36 ; CSDPS429.C3 50.26,340.36 ; CSDPS429.C3 51.07,341.17 ; 19.78,386.08 D431.A15 ; D431.A15 21.4,386.08 ; D431.A15 20.59,385.27 ; D431.A15 20.59,386.89 ; 109.49,385.27 D427.A9 ; D427.A9 110.3,386.08 ; D427.A9 109.49,386.89 ; D427.A9 108.68,386.08 ; D431.A17 16.32,386.08 ; D431.A17 15.51,386.89 ; D431.A17 15.51,385.27 